# Altium PCB drive.PcbDoc (continued)
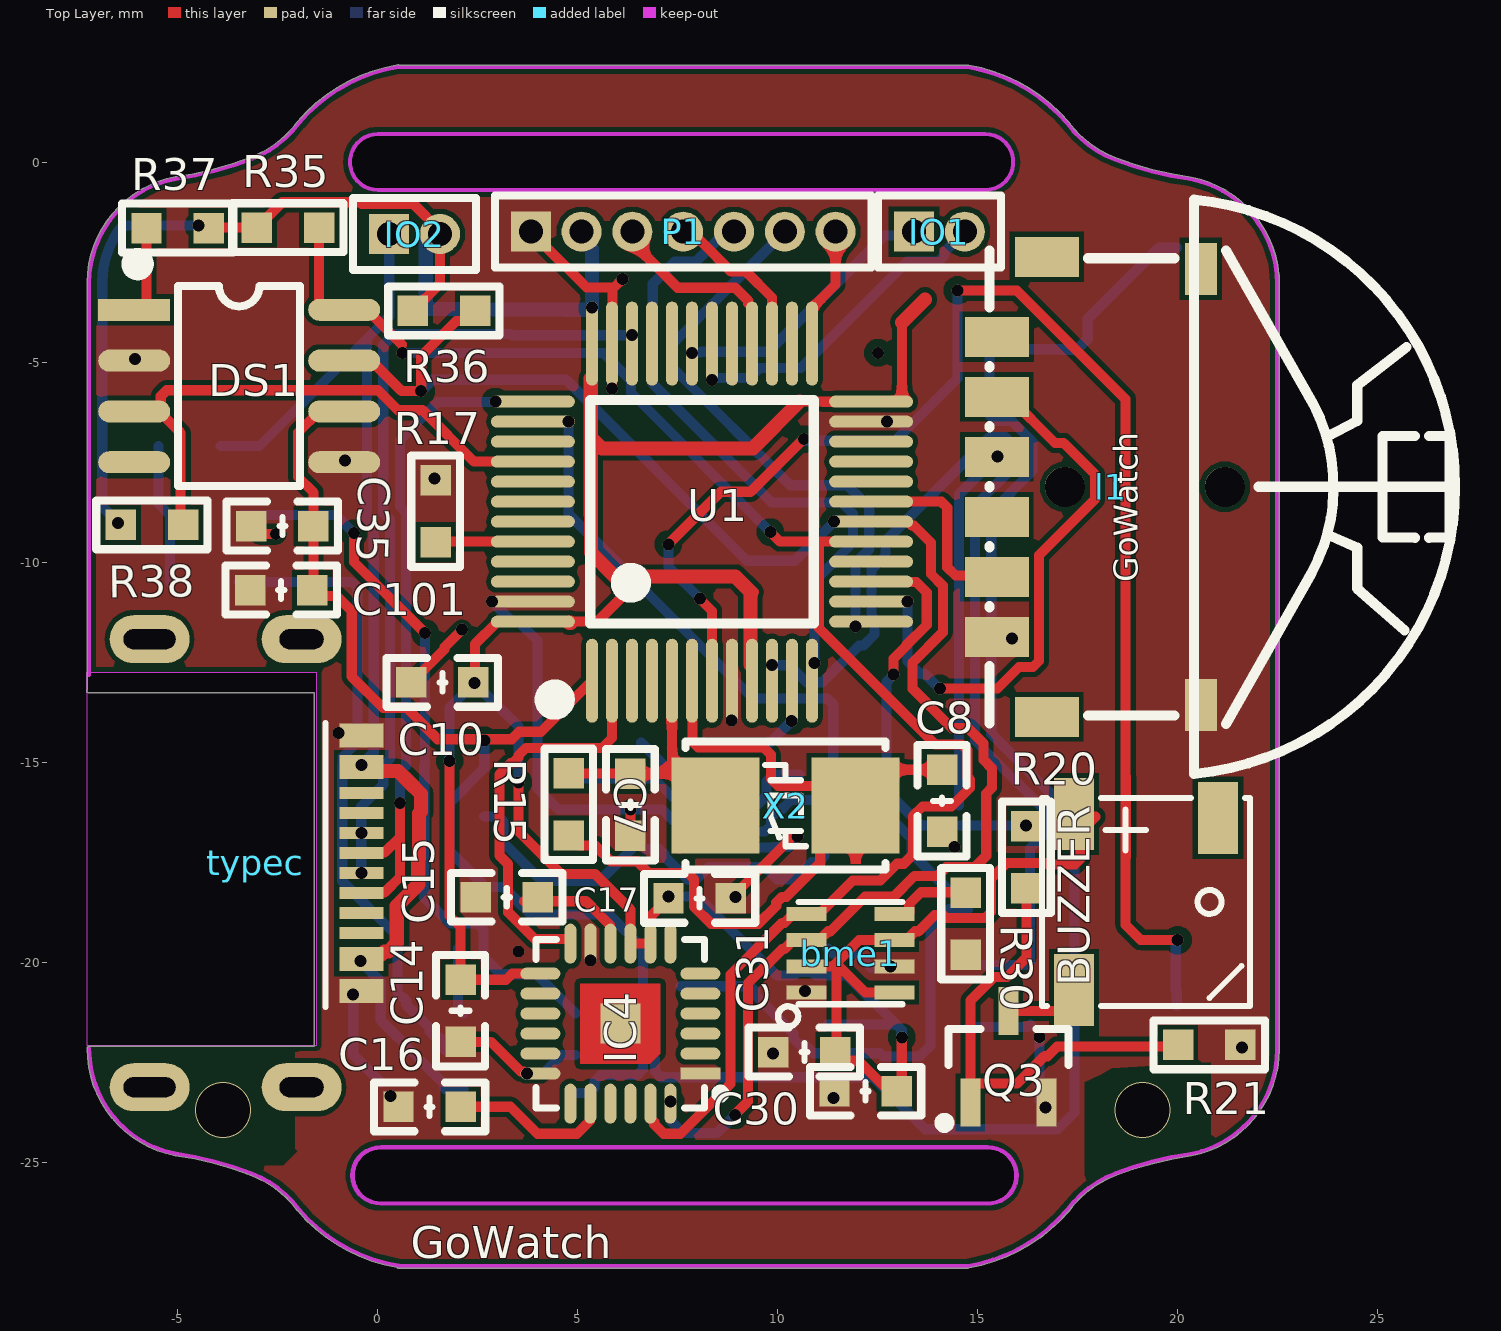
[diagram p0: Top Layer view]
## Footprints (in the part's own frame and the unit in brackets; to place one, negate y for a bottom-side part, rotate by r counter-clockwise, add the part's x,y. Pads: shape width x height; smd on the part's side, far side on the other; paste and mask are expansions set on the pad)
5020BUZZER [mm]
  rect 1x1.8 smd: 1(1.8,-2.25) 2(1.8,2.152) 3(-1.8,-2.151)
  silkscreen extent -2.6,-2.65 2.6,2.55, body extent -2.6,-2.7 2.6,2.5, height 2
BME280 [mm]
  rect 1x0.351 smd: 1(2.243,2.301) 2(2.243,1.651) 3(2.243,0.991) 4(2.243,0.341) 5(0.043,0.341) 6(0.043,0.991) 7(0.043,1.651) 8(0.043,2.301)
  silkscreen extent -0.16,0.04 2.95,3.15, body extent -0.15,0.05 2.35,2.55, height 0.93
C0603 [mm] "Chip Capacitor, 2-Leads, Body 1.60x0.80mm, IPC Medium Density"
  rect 0.8x0.9 smd: 1(-0.8,0) 2(0.8,0)
  silkscreen extent 0,-0.4 0,0.4, body extent -0.8,-0.4 0.8,0.4, height 0.8
"C 0603_L" [mil]
  rect 30x30 smd: 1(-30.59,0) 2(30.59,0)
  silkscreen extent -55,-24 55,24, body extent -31,-16 31,16, height 32
"LED 0603G" [mil]
  rect 50x35 smd: 1(-34.99,0.26)
  oct 50x35 smd: 2(35.01,0.26)
  silkscreen extent -71,-28 81,28, body extent -31,-16 31,16, height 24
"LED 0603R" [mil]
  rect 50x35 smd: 1(-35,0.26)
  oct 50x35 smd: 2(35,0.26)
  silkscreen extent -71,-28 81,28, body extent -31,-16 31,16, height 24
"LQFP48 7X7_M" [mm]
  oval 0.3x2.1 smd: 1(-2.75,-4.227) 2(-2.25,-4.227) 3(-1.75,-4.227) 4(-1.25,-4.227) 5(-0.75,-4.227) 6(-0.25,-4.227) 7(0.25,-4.227) 8(0.75,-4.227) 9(1.25,-4.227) 10(1.75,-4.227) 11(2.25,-4.227) 12(2.75,-4.227) 25(2.75,4.202) 26(2.25,4.202) 27(1.75,4.202) 28(1.25,4.202) 29(0.75,4.202) 30(0.25,4.202) 31(-0.25,4.202) 32(-0.75,4.202) 33(-1.25,4.202) 34(-1.75,4.202) 35(-2.25,4.202) 36(-2.75,4.202)
  oval 2.1x0.3 smd: 13(4.227,-2.75) 14(4.227,-2.25) 15(4.227,-1.75) 16(4.227,-1.25) 17(4.227,-0.75) 18(4.227,-0.25) 19(4.227,0.25) 20(4.227,0.75) 21(4.227,1.25) 22(4.227,1.75) 23(4.227,2.25) 24(4.227,2.75) 37(-4.227,2.75) 38(-4.227,2.25) 39(-4.227,1.75) 40(-4.227,1.25) 41(-4.227,0.75) 42(-4.227,0.25) 43(-4.227,-0.25) 44(-4.227,-0.75) 45(-4.227,-1.25) 46(-4.227,-1.75) 47(-4.227,-2.25) 48(-4.227,-2.75)
  silkscreen extent -3.93,-4.95 2.79,2.79, body extent -4.5,-4.5 4.5,4.5, height 1.45
lunbo [mm]
  rect 1x1.6 smd: D1(9.489,1.087) D2(7.989,1.087) G(10.989,1.087) M(6.489,1.087) s(1.489,2.337) s(12.989,2.337) U1(4.989,1.087) U2(3.489,1.087)
  rect 1.3x0.8 smd: g(12.689,6.187) null(1.789,6.187)
  round 1 hole 1 unplated: ""(7.239,6.787) ""(7.239,2.787)
  silkscreen extent 0.06,0.91 14.41,12.55
MHDR1X2 [mm] "Connector; Header; 2 Position"
  rect 1x1 hole 0.6: 1(0,0)
  round 1 hole 0.6: 2(1.27,0)
  silkscreen extent -0.9,-0.9 2.17,0.9
MHDR1X7 [mm] "Connector; Header; 7 Position"
  rect 1x1 hole 0.6: 1(0,0)
  round 1 hole 0.6: 2(1.27,0) 3(2.54,0) 4(3.81,0) 5(5.08,0) 6(6.35,0) 7(7.62,0)
  silkscreen extent -0.9,-0.9 8.52,0.9
"OSC 5032-2P" [mm]
  rect 2.2x2.4 smd: 1(-1.75,0) 2(1.75,0)
  silkscreen extent -2.5,-1.6 2.5,1.6, body extent -2.5,-1.6 2.5,1.6, height 0.86
"QFN24 4x4_M" [mm]
  rect 0.3x1 smd: 1(-1.25,-2)
  oval 0.3x1 smd: 2(-0.75,-2) 3(-0.25,-2) 4(0.25,-2) 5(0.75,-2) 6(1.25,-2) 13(1.25,2) 14(0.75,2) 15(0.25,2) 16(-0.25,2) 17(-0.75,2) 18(-1.25,2)
  oval 1x0.3 smd: 7(2,-1.25) 8(2,-0.75) 9(2,-0.25) 10(2,0.25) 11(2,0.75) 12(2,1.25) 19(-2,1.25) 20(-2,0.75) 21(-2,0.25) 22(-2,-0.25) 23(-2,-0.75) 24(-2,-1.25)
  rect 1x1 smd: 25(0,0)
  Top Layer region: -1,1 1,1 1,-1 -0.75,-1 -1,-0.75
  silkscreen extent -2.11,-2.6 2.11,2.11, body extent -2.01,-2.01 2.01,2.01, height 0.95
"R 0603_L" [mil]
  rect 30x30 smd: 1(-30.59,0) 2(30.59,0)
  silkscreen extent -55,-24 55,24, body extent -31,-16 31,16, height 16
smd-1.25 [mm]
  rect 0.8x1.6 smd: 1(0.278,-3.518) 2(-0.972,-3.518)
  rect 2.1x3 smd: 3(2.921,-1.143)
  rect 1.3x0.8 smd: 4(-3.556,-2.159)
  silkscreen extent -4.19,-3.63 3.49,1.49
SOP8_N [mm]
  rect 1.8x0.55 smd: 1(-2.625,1.905)
  oval 1.8x0.55 smd: 2(-2.625,0.635) 3(-2.625,-0.635) 4(-2.625,-1.905) 5(2.625,-1.905) 6(2.625,-0.635) 7(2.625,0.635) 8(2.625,1.905)
  silkscreen extent -2.69,-2.5 1.52,3.2, body extent -3,-2.5 3,2.5, height 1.9
SOT23-3N [mm]
  rect 0.5x1.2 smd: 1(-0.95,-1.143) 2(0.95,-1.143) 3(0,1.143)
  silkscreen extent -1.72,-1.78 1.5,0.7, body extent -1.5,-1.2 1.5,1.2, height 1.05
SOT23-6N [mm]
  rect 0.5x1.2 smd: 1(-0.95,-1.4) 2(0,-1.4) 3(0.95,-1.4) 4(0.95,1.4) 5(0,1.4) 6(-0.95,1.4)
  silkscreen extent -1.78,-1.78 1.55,0.51, body extent -1.5,-1.4 1.5,1.4, height 1.15
type-c-16p-new [mm]
  rect 0.6x1.1 smd paste-100 mask+0.05: 1(-3.327,3.59) 2(-2.527,3.59) 11(2.273,3.59) 12(3.073,3.59)
  rect 0.3x1.1 smd paste-100 mask+0.05: 3(-1.877,3.59) 4(-1.377,3.59) 5(-0.877,3.59) 6(-0.377,3.59) 7(0.123,3.59) 8(0.623,3.59) 9(1.123,3.59) 10(1.623,3.59)
  oval 1.2x2 hole 0.5 slot 1.1 at 90 deg: 13(-5.727,2.097) 14(5.473,2.097)
  oval 1.2x2 hole 0.5 slot 1.3 at 90 deg: 15(-5.727,-1.703) 16(5.473,-1.703)
  silkscreen extent -3.63,2.7 3.47,2.7, body extent -5.83,-3.5 5.57,3.05, height 1.59

## Part data
bme1: "气压，湿度，温度传感器"
BUZZER: "贴片蜂鸣器5020最小封装"
C3 C4 C5 C6 C7 C8 C9 C10 C14 C15 C16 C17 C30 C31 C35 C101 CON: library part C, "无极性贴片电容", BOM名称=无极性贴片电容, 学习资源=www.ooocke.com, 版权归属=源创客
  C5 C6 C7 C8 C9 C10 C30 C31 C101 CON: 材质=X7R
DZx1: "双肖特基，共阴极"
IC2: library part TP4057/4059, "500mA/600mA锂电池充电管理IC"
IC4: "陀螺仪"
IO1 IO2: library part "Header 2", "Header, 2-Pin", LatestRevisionDate=17-Jul-2002, LatestRevisionNote="Re-released for DXP Platform.", Publisher="Altium Limited"
LED1 LED2: library part LED-SMD, "贴片LED", BOM名称=贴片LED, 学习资源=www.ooocke.com, 版权归属=源创客
P1: "Header, 7-Pin", LatestRevisionDate=17-Jul-2002, LatestRevisionNote="Re-released for DXP Platform.", Publisher="Altium Limited"
Q1: library part SI2301, "P沟道场效应管", BOM名称=P沟道场效应管, 学习资源=www.ooocke.com, 版权归属=源创客
Q2: library part 9014-SMD, "低噪放大-NPN型", BOM名称=低噪放大-NPN型, 学习资源=www.ooocke.com, 属性="50V 0.1A 0.4W 150MHZ", 版权归属=源创客
Q3: library part 8050-SMD, "高频放大-NPN型", BOM名称=高频放大-NPN型, 学习资源=www.ooocke.com, 属性="40V 1.5A 1W 100MHZ", 版权归属=源创客
R10 R12 R13 R14 R15 R17 R20 R21 R30 R35 R36 R37 R38 R41 R42 R43 Reset: library part R, "贴片电阻", BOM名称=贴片电阻, 学习资源=www.ooocke.com, 版权归属=源创客
U1: "Flaah:64/RAM:20/IO:36", BOM名称=32位STM单片机, 学习资源=www.ooocke.com, 版权归属=源创客
V1: "低压差线性稳压芯片", BOM名称=低压差线性稳压芯片, 学习资源=www.ooocke.com, 版权归属=源创客
X2: library part XTAL-2P, "2脚无源脚晶振", BOM名称=2脚无源脚晶振, 学习资源=www.ooocke.com, 版权归属=源创客, 负载电容=CL20pF

## Free pads (board coordinates)
  round 1.524 smd far side: 2(16.48,-1.88)

## Via types
v1: diameter 0.3, hole 0.3, Top Layer to Bottom Layer, 71 vias
v2: diameter 1.4, hole 1.35, Top Layer to Bottom Layer, 2 vias

## Nets (pads, with @x,y where several pads share a name; then routed paths per layer and width w, separated by ;. In a path a pad name is that pad's centre, name@x,y a point inside that pad or via, vN(x,y) a via of type N, cw(c..) or ccw(c..) an arc to the next point about the centre after c; other vN are vias at no path point)
+3.3V: bme1.2 bme1.6 bme1.8 BUZZER.1 C6.2 C10.2 C14.1 C17.2 C30.2 C31.2 IC4.8 IC4.9 IC4.13 IO2.2 P1.2 R35.2 R36.2 R37.2 R38.2 U1.9 U1.24 U1.36 U1.48 V1.2 | length 100.3
  Top Layer w0.254: R37.2@-4.423,-1.64 R35.2 -2.392,-1.005 -0.447,-1.005 -0.406,-1.046 0.885,-1.046 1.55,-1.711 IO2.2 1.55,-3.043 R36.2 ; v1(1.79,-14.97) 1.79,-18.848 2.065,-19.123 C14.1 3.202,-20.442 3.354,-20.29 IC4.13 ; v1(2.41,-13.02) 2.4,-13.01 C10.2 2.429,-12.968 2.429,-12.047 2.965,-11.511 2.986,-11.49 U1.48 4.786,-11.49 4.809,-11.467 U1.48@4.814,-11.467 ; v1(3.511,-15.509) 3.511,-16.731 4.576,-17.796 5.422,-17.796 6.31,-18.684 IC4.9 IC4.8 6.819,-19.531 6.819,-18.854 C17.2 7.26,-18.407 v1(7.26,-18.36) ; U1.48@4.887,-11.49 5.48,-11.49 6.61,-10.36 ; 9.32,-10.75 9.397,-10.75 ; 10.541,-5.99 U1.24 13.079,-5.99 13.1,-5.969 13.1,-4.01 ; bme1.2 11.464,-20.11 11.464,-22.223 C31.2 11.653,-22.466 12.013,-22.466 12.827,-23.28 13.081,-23.026 13.081,-22.891 13.095,-22.877 v1(13.095,-21.881) ; 11.417,-20.062 12.029,-19.45 bme1.6 13.235,-19.45 13.283,-19.402 13.283,-19.378 13.432,-19.229 13.515,-19.229 13.92,-18.824 14.13,-18.824 14.204,-18.898 15.176,-18.898 15.325,-18.749 15.325,-17.921 15.724,-17.522 16.696,-17.522 16.734,-17.56 17.418,-17.56 17.566,-17.411 17.566,-16.743 17.94,-16.37 ; 11.534,-20.11 12.184,-20.761 bme1.8
  Top Layer w0.354: U1.48@4.78,-11.517 U1.48@4.818,-11.517 ; 5.32,-5.721 5.32,-8.81 5.325,-8.815 5.325,-9.764 5.921,-10.36 6.61,-10.36 8.93,-10.36 9.32,-10.75 ; 5.32,-5.686 5.32,-5.416 U1.36@5.324,-5.411 ; 5.413,-6.98 5.594,-7.162 9.37,-7.162 10.541,-5.99 ; U1.9@9.31,-12.57 9.31,-10.82 9.32,-10.81 ; 13.1,-4.01 13.677,-3.433
  Bottom Layer w0.254: v1(-6.497,-9.019) -6.895,-8.621 -6.895,-3.016 cw(c-4.562,-3.033) -6.474,-1.696 cw(c-6.266,-1.843) -6.266,-1.589 v1(-4.493,-1.589) ; v1(1.79,-14.97) 1.79,-13.64 v1(2.41,-13.02) 2.957,-13.567 2.973,-13.567 3.511,-14.105 v1(3.511,-15.509) ; v1(7.26,-18.36) 7.994,-18.36 9.974,-20.34 10.385,-20.34 10.472,-20.253 10.868,-20.253 10.955,-20.34 11.733,-20.34 C6.2@12.953,-21.56 ; V1.2 C6.2@12.953,-21.56 ; v1(13.095,-21.881) 13.095,-21.702 C6.2 C6.2@12.953,-21.56
  Bottom Layer w0.354: IO2.2@1.192,-1.892 1.192,-3.672 2.242,-3.672 2.253,-3.683 4.676,-3.683 4.686,-3.693 5.286,-3.693 5.33,-3.649 v1@5.349,-3.649 ; P1.2 5.09,-1.915 5.351,-2.176 v1@5.351,-3.628
  other v1: 5.351,-3.64
+5: C3.2 IC2.4 IO2.1 R10.2 typec.2 typec.11 | length 29.9
  Top Layer w0.354: typec.11 -0.293,-19.808 0.091,-19.808 0.164,-19.735 0.259,-19.735 0.47,-19.524 0.47,-18.595 1.005,-18.06 1.005,-17.418 1.027,-17.396 1.027,-16.288 1.078,-16.237 1.078,-15.801 0.769,-15.492 0.501,-15.224 -0.258,-15.224 v1(-0.41,-15.073)
  Bottom Layer w0.254: R10.2 -2.962,-7.1 -0.223,-4.361 ; v1(-0.432,-19.976) -0.432,-19.988 0.07,-20.49 C3.2 0.484,-21.867 0.489,-21.867 0.638,-22.015 0.638,-22.031 1.435,-22.828 1.667,-23.06 1.667,-23.151 1.696,-23.18 IC2.4@2.14,-23.18 ; v1(-0.41,-15.073) -0.41,-15.061 -0.106,-14.757 -0.106,-9.099 -0.272,-8.933 -0.272,-4.41 -0.223,-4.361 ; IO2.1 0.28,-3.858 -0.223,-4.361
ADC: C9.2 R13.1 R14.2 U1.10 | length 25.9
  Bottom Layer w0.254: v1(9.851,-12.581) 10.289,-12.581 10.715,-13.007 11.11,-13.007 12.028,-12.089 12.132,-12.089 12.411,-11.81 12.411,-11.415 12.338,-11.342 12.338,-10.194 12.684,-9.848 12.684,-9.48 14.119,-8.045 15.286,-6.879 15.681,-6.879 15.96,-7.158 15.96,-7.553 14.927,-8.586 14.927,-14.461 16.679,-16.213 16.679,-16.781 16.297,-17.163 16.297,-20 16.224,-20.073 R14.2
beep: R20.1 U1.38 | length 18.5
  Top Layer w0.254: U1.38@3.46,-6.49 U1.38
  Bottom Layer w0.254: v1(4.76,-6.49) 4.76,-8.795 8.776,-12.81 9.376,-13.411 11.234,-13.411 11.383,-13.56 11.383,-15.485 11.726,-15.828 12.816,-15.828 13.572,-16.584 v1(16.202,-16.584)
BOOT0: R17.1 U1.44 | length 2.4
  Top Layer w0.254: R17.1@1.53,-9.733 1.773,-9.49 U1.44
BOOT1: U1.20
ESP_RXD: P1.6 U1.13 | length 14
  Bottom Layer w0.254: P1.6 7.374,-4.536 7.374,-5.149 10.305,-8.08 11.735,-8.08 12.28,-8.626 12.28,-9.68 11.934,-10.026 v1(11.934,-11.612)
  other v1: 11.934,-11.612
ESP_TXD: P1.5 U1.12 | length 15.6
  Bottom Layer w0.254: P1.5 8.698,-1.74 8.431,-2.007 8.429,-2.007 7.942,-2.494 7.416,-2.494 6.87,-3.04 6.87,-5.54 9.844,-8.514 11.597,-8.514 11.876,-8.793 11.876,-9.513 10.913,-10.477 v1(10.913,-12.53)
GND: Battery.2 Battery.4 bme1.1 bme1.7 C3.1 C4.1 C5.1 C6.1 C7.1 C8.1 C9.1 C10.1 C14.2 C15.1 C16.1 C17.1 C30.1 C31.1 C35.1 C101.1 CON.1 DS1.2 DS1.5 IC2.2 IC4.1 IC4.11 IC4.18 l1.g l1.G P1.1 pad.2 Q2.2 Q3.2 R12.1 R14.1 R17.2 R21.1 R30.1 R43.2 Reset.1 typec.1 typec.12 U1.8 U1.23 U1.35 U1.47 V1.1 | length 35.1
  Top Layer w0.254: C35.1 -2.963,-9.304 v1(-2.546,-9.304) ; C10.1 1.661,-12.182 1.661,-12.129 v1(2.1,-11.69) ; C14.2 2.827,-21.996 3.569,-22.738 3.646,-22.738 3.689,-22.781 3.701,-22.769 IC4.18@3.72,-22.769 ; v1(3.72,-22.79) IC4.18 ; P1.1 5.218,-3.138 5.902,-3.138 ; v1(5.847,-5.662) 5.849,-5.66 5.849,-4.541 5.86,-4.53 5.86,-3.18 5.902,-3.138 ; v1(6.11,-2.93) 5.902,-3.138 ; C7.1 v1(6.311,-16.187) ; v1(8.94,-18.38) 8.94,-18.287 10.353,-16.874 10.481,-16.874 v1(10.49,-16.865)
  Bottom Layer w0.254: v1(-0.62,-20.81) -0.62,-22.317 C3.1 ; v1(2.85,-10.99) 3.341,-11.481 3.505,-11.481 3.988,-11.964 3.988,-15.664 4.511,-16.187 v1(6.311,-16.187) 7.107,-16.187 8.058,-17.138 9.846,-17.138 9.863,-17.121 10.276,-17.121 10.49,-16.907 v1(10.49,-16.865) ; v1(3.72,-22.79) 3.732,-22.79 3.744,-22.801 4.113,-22.801 4.59,-22.324 IC2.2 ; V1.1 11.366,-19.783 11.968,-19.783 12.328,-20.143 C6.1 ; R14.1 16.25,-21.627 C9.1 ; v1(16.541,-21.877) 16.541,-23.478 16.69,-23.628 v1(16.69,-23.64)
  other v1: 11.39,-23.4 0.31,-23.35 9.87,-22.29 21.602,-22.139 10.67,-20.73 12.81,-20.11 5.31,-19.967 3.51,-19.74 14.41,-17.13 -0.987,-14.27 8.841,-13.964 15.85,-11.91 1.411,-7.91 -0.824,-7.459 12.73,-6.49 -6.074,-4.919
INT: DS1.3 R38.1 U1.40 | length 14.2
  Top Layer w0.254: DS1.3 DS1.3@-5.567,-6.235 ; R38.1@-4.933,-9.06 -4.933,-6.772 -5.47,-6.235 DS1.3@-5.567,-6.235 ; U1.40 2.4,-7.49 1.117,-6.207 0.5,-6.207 -0.001,-5.706 -5.282,-5.706 -5.43,-5.855 -5.43,-6.098 DS1.3@-5.567,-6.235
IO1: IO1.2 U1.30 | length 8.8
  Top Layer w0.254: v1(8.351,-5.451) U1.30
  Bottom Layer w0.254: v1(8.351,-5.451) 8.363,-5.451 8.418,-5.397 9.293,-5.397 9.542,-5.148 10.573,-5.148 13.227,-2.494 14.005,-2.494 14.154,-2.345 14.154,-2.26 14.612,-1.802 IO1.2@14.612,-1.769
IO2: IO1.1 U1.31 | length 6.8
  Bottom Layer w0.254: v1(7.851,-4.775) 7.86,-4.766 8.063,-4.766 8.084,-4.744 9.758,-4.744 12.668,-1.834 13.306,-1.834 IO1.1
IO3: U1.32
IO4: U1.33
MPU6050_INT: IC4.12 U1.2 | length 10.1
  Top Layer w0.254: IC4.12 4.81,-19.446 4.789,-19.424 3.92,-19.424 3.253,-18.757 3.253,-18.253 3.253,-17.553 3.034,-17.334 3.034,-15.312 3.313,-15.032 3.362,-15.032 3.511,-14.884 3.511,-14.835 3.698,-14.648 5.601,-14.648 5.851,-14.398 U1.2
Netbme1_5: bme1.5 R30.2 | length 2.2
  Top Layer w0.254: bme1.5 13.235,-18.8 13.283,-18.751 13.283,-18.549 13.574,-18.258 14.565,-18.258 R30.2@14.69,-18.383
NetBUZZER_2: BUZZER.2 Q3.3 | length 1.8
  Top Layer w0.254: Q3.3 BUZZER.2@17.566,-21.227
NetC15_2: C15.2 IC4.10 | length 2.9
  Top Layer w0.254: C15.2@3.657,-18.48 5.204,-18.48 5.51,-18.786 5.801,-19.077 5.801,-19.531 IC4.10
NetC16_2: C16.2 IC4.20 | length 4.1
  Top Layer w0.254: C16.2 3.312,-23.62 3.986,-24.294 4.977,-24.294 5.301,-23.97 5.301,-23.549 IC4.20
NetDS1_1: DS1.1 R37.1 | length 2.3
  Top Layer w0.254: DS1.1 -5.935,-3.695 -5.787,-3.547 R37.1
NetDZx1_1: DZx1.1 Q1.1 Q2.3 R41.1 | length 11.6
  Bottom Layer w0.254: Q1.1 3.007,-16.36 3.13,-16.483 3.13,-17.013 R41.1 5.547,-17.97 Q2.3@6.337,-17.18 ; Q2.3 7.037,-17.18 7.16,-17.303 7.16,-17.353 7.737,-17.93 7.964,-17.93 8.268,-17.626 9.678,-17.626 9.982,-17.93 10.414,-17.93 10.842,-17.502 11.016,-17.502 11.165,-17.353 11.165,-17.179 11.314,-17.03 DZx1.1
NetIC2_1: IC2.1 LED1.2 | length 18.2
  Top Layer w0.254: v1(-0.6,-9.28) -0.6,-10.001 v1(1.179,-11.78)
  Bottom Layer w0.254: LED1.2 -1.053,-8.827 v1(-0.6,-9.28) ; v1(1.179,-11.78) 1.179,-15.081 1.158,-15.103 1.158,-18.392 1.801,-19.035 2.489,-19.035 2.638,-19.184 2.638,-19.872 3.071,-20.305 3.965,-20.305 IC2.1@4.94,-21.28
NetIC2_5: IC2.5 LED2.2 | length 16.4
  Bottom Layer w0.254: LED2.2@-3.491,-10.497 -0.659,-10.497 -0.51,-10.645 -0.51,-14.499 -0.887,-14.876 -0.887,-15.09 -0.893,-15.096 -0.893,-17.978 0.489,-19.361 0.489,-20.751 0.705,-20.967 0.705,-21.065 1.286,-21.646 1.286,-21.729 1.435,-21.878 1.518,-21.878 1.667,-22.027 1.667,-22.201 2.111,-22.201 IC2.5@2.14,-22.23
NetIC2_6: IC2.6 R12.2 | length 1.7
  Bottom Layer w0.254: R12.2 2.003,-21.157 2.126,-21.28 IC2.6@2.14,-21.28
NetLED1_1: LED1.1 LED2.1 R10.1 | length 3.5
  Bottom Layer w0.254: R10.1 -5.487,-8.539 LED1.1 LED2.1
NetQ2_1: Q2.1 R42.2 R43.1 | length 5.2
  Bottom Layer w0.254: R42.2 8.17,-16.107 8.85,-16.107 Q2.1 9.323,-16.23 9.71,-15.843 9.71,-15.493 9.89,-15.313 R43.1
NetQ3_1: Q3.1 R20.2 R21.2 | length 11.9
  Top Layer w0.254: Q3.1 Q3.1@14.81,-23.163 ; R20.2 16.21,-19.891 15.728,-20.373 15.405,-20.373 14.81,-20.968 Q3.1@14.81,-23.163 ; R21.2@20.114,-22.11 16.983,-22.11 16.738,-22.354 16.659,-22.354 15.974,-23.04 14.933,-23.04 Q3.1@14.81,-23.163
NRST: CON.2 Reset.2 U1.7 | length 36.6
  Top Layer w0.254: v1(7.261,-9.556) 8.573,-8.244 9.316,-8.244 v1@10.62,-6.94 ; v1(8.05,-10.91) 8.05,-10.922 8.351,-11.223 U1.7 ; v1(14.49,-3.21) 15.969,-3.21 18.69,-5.931 18.69,-15.361 18.693,-15.365 18.693,-17.375 18.69,-17.378 18.69,-19.07 19.07,-19.45 v1(19.993,-19.45)
  Bottom Layer w0.254: v1(7.261,-9.556) 7.261,-10.121 v1(8.05,-10.91) ; v1(10.649,-6.926) 10.662,-6.926 10.703,-6.967 12.928,-6.967 14.49,-5.405 v1(14.49,-3.21) ; Reset.2@19.97,-21.1 19.97,-20.754 19.943,-20.727 19.943,-19.5 v1(19.993,-19.45)
OSC32_IN: U1.3
OSC32_OUT: U1.4
OSC_IN: C7.2 R15.2 U1.5 X2.2 | length 8.3
  Top Layer w0.254: R15.2 6.301,-15.283 C7.2 7.073,-15.293 ; U1.5 7.351,-15.015 7.073,-15.293 ; X2.2@7.54,-17.163 8.382,-16.32 8.67,-16.32 7.643,-15.293 7.073,-15.293
OSC_OUT: C8.2 R15.1 U1.6 X2.1 | length 19.5
  Top Layer w0.254: R15.1@4.772,-16.792 4.772,-16.839 5.024,-17.091 5.434,-17.091 5.825,-17.482 6.484,-17.482 6.777,-17.775 7.749,-17.775 7.898,-17.924 7.898,-18.612 8.331,-19.045 9.509,-19.045 9.956,-18.598 9.956,-18.519 10.105,-18.37 10.21,-18.37 11.058,-17.522 11.058,-16.972 X2.1@12.296,-15.734 ; U1.6 7.86,-12.976 7.86,-14.487 8.009,-14.636 9.645,-14.636 9.822,-14.813 9.822,-15.422 9.999,-15.599 11.596,-15.599 11.732,-15.734 X2.1@12.296,-15.734 ; C8.2 12.837,-15.193 X2.1@12.296,-15.734
PB12: P1.7 U1.25 | length 3
  Top Layer w0.254: U1.25 10.851,-3.651 11.44,-3.062 P1.7
PB14: P1.4 U1.27 | length 3.9
  Top Layer w0.254: P1.4@7.832,-1.74 8.099,-2.007 8.101,-2.007 8.834,-2.74 9.203,-2.74 9.851,-3.388 U1.27
PB15: P1.3 U1.28 | length 5
  Top Layer w0.254: P1.3@6.09,-1.74 7.494,-3.144 8.928,-3.144 9.255,-3.471 9.255,-3.53 9.351,-3.626 U1.28
PWR_ON: R42.1 U1.11 | length 3.4
  Top Layer w0.254: U1.11 10.36,-12.976 U1.11@10.36,-13.947
  Bottom Layer w0.254: R42.1 8.14,-14.523 9.79,-14.523 v1(10.341,-13.972)
SCL2: bme1.4 DS1.8 IC4.23 R35.1 U1.17 | length 40.6
  Top Layer w0.254: R35.1 -1.473,-3.558 -1.336,-3.695 DS1.8 -0.273,-3.695 0.6,-4.568 ; IC4.23 6.81,-23.902 6.906,-23.998 6.906,-24.057 7.143,-24.294 7.565,-24.294 8.814,-23.045 8.814,-20.311 10.105,-19.021 10.164,-19.021 10.385,-18.8 bme1.4 11.035,-18.8 11.87,-17.964 12.557,-17.964 12.977,-17.544 13.145,-17.544 13.38,-17.309 13.38,-16.347 13.615,-16.112 14.333,-16.112 14.801,-15.645 14.801,-15.434 14.736,-15.369 14.736,-14.707 14.587,-14.558 13.925,-14.558 11.024,-11.657 11.024,-11.264 11.024,-9.586 ; v1(9.81,-9.25) 10.05,-9.49 U1.17
  Bottom Layer w0.254: v1(0.609,-4.775) 5.634,-4.775 6.324,-5.465 6.324,-5.764 v1(9.81,-9.25)
SDA2: bme1.3 DS1.7 IC4.24 R36.1 U1.18 | length 41.9
  Top Layer w0.254: DS1.7 -0.171,-4.965 0.586,-5.721 1.071,-5.721 v1(1.08,-5.73) 1.08,-4.848 1.954,-3.974 2.173,-3.974 2.313,-3.834 R36.1@2.313,-3.615 ; v1(8.92,-23.83) 8.92,-23.818 9.248,-23.49 9.248,-20.538 10.108,-19.678 10.157,-19.678 10.385,-19.45 bme1.3 11.035,-19.45 11.256,-19.229 11.315,-19.229 12.176,-18.368 12.893,-18.368 13.411,-17.85 13.982,-17.85 14.204,-17.628 14.922,-17.628 15.205,-17.345 15.205,-15.785 15.348,-15.642 15.348,-15.153 15.14,-14.945 15.14,-14.539 14.755,-14.154 14.349,-14.154 13.367,-13.172 13.367,-12.511 14.121,-11.757 14.121,-10.593 13.826,-10.298 13.826,-9.517 13.395,-9.086 13.357,-9.086 13.336,-9.086 13.241,-8.99 U1.18
  Bottom Layer w0.254: v1(1.08,-5.73) 1.367,-5.443 4.703,-5.443 9.227,-9.967 10.423,-9.967 v1(11.399,-8.991) ; v1(7.315,-23.487) 7.315,-23.972 7.622,-24.278 8.472,-24.278 v1(8.92,-23.83)
SW1: l1.D1 U1.19 | length 4.8
  Top Layer w0.254: U1.19 14.082,-8.49 14.23,-8.639 14.23,-10.13 14.438,-10.338 15.438,-10.338 l1.D1
SW2: DZx1.3 l1.M | length 9.1
  Bottom Layer w0.254: DZx1.3 14.523,-8.317 v1@15.484,-7.356
  other v1: 15.483,-7.356
SW2-KEY: DZx1.2 U1.15 | length 5.8
  Top Layer w0.254: v1(12.89,-12.81) 12.89,-12.417 13.22,-12.087 13.22,-12.07 13.717,-11.573 13.717,-10.76 13.456,-10.499 13.249,-10.499 U1.15@13.244,-10.493
  Bottom Layer w0.254: DZx1.2 12.587,-15.13 12.71,-15.007 12.71,-13.002 12.89,-12.822 v1(12.89,-12.81)
SW3: l1.U1 U1.14 | length 14.8
  Top Layer w0.254: U1.14 v1(13.241,-10.99) U1.14@13.264,-10.967 ; v1(14.046,-13.16) 15.49,-13.16 16.026,-12.624 16.375,-12.624 16.524,-12.475 16.524,-9.832 17.924,-8.432 17.924,-7.808 17.142,-7.025 16.925,-7.025 15.77,-5.87 l1.U1
  Bottom Layer w0.254: v1(13.241,-10.99) 13.241,-12.486 13.547,-12.792 13.666,-12.792 14.034,-13.16 v1(14.046,-13.16)
SWCLK: typec.6 typec.8 U1.37 | length 16.6
  Top Layer w0.254: typec.8 -0.393,-18.258 0.166,-18.258 0.551,-17.872 v1(0.551,-16.019) ; typec.6@-0.01,-17.287 -0.01,-17.274 0.007,-17.258 0.166,-17.258 0.551,-16.872 v1(0.551,-16.019) ; v1(2.934,-5.992) U1.37@2.957,-5.992 ; v1(0.551,-16.019) 0.566,-16.004 v1(0.551,-16.019)
  Bottom Layer w0.254: v1(0.551,-16.019) 0.551,-15.243 0.702,-15.092 0.702,-8.765 0.551,-8.614 0.551,-6.946 1.496,-6 2.925,-6 v1(2.934,-5.992)
SWDIO: typec.5 typec.7 U1.34 | length 20.1
  Top Layer w0.254: U1.34 6.351,-4.349 v1(6.351,-4.33)
  Bottom Layer w0.254: v1(-0.416,-17.781) v1(-0.416,-16.781) -0.416,-16.113 0.132,-15.565 0.132,-15.091 0.298,-14.925 0.298,-8.932 0.132,-8.766 0.132,-4.577 0.411,-4.298 3.326,-4.298 3.358,-4.33 v1(6.351,-4.33)
Vbat+: Battery.1 Battery.3 C4.2 C35.2 C101.2 DS1.6 IC2.3 Q1.2 R41.2 U1.1 | length 68.4
  Top Layer w0.254: C101.2@-1.624,-10.719 -1.613,-10.709 C35.2 -1.613,-8.259 -1.999,-7.873 -1.999,-6.764 -1.47,-6.235 DS1.6 ; C101.2@-1.622,-10.721 -1.492,-10.851 -1.03,-10.851 -0.805,-11.076 -0.656,-11.225 -0.656,-12.865 0.124,-13.645 0.711,-13.645 1.496,-14.43 3.344,-14.43 3.53,-14.244 4.074,-14.244 U1.1
  Bottom Layer w0.254: v1(2.657,-14.46) 2.657,-15.151 1.803,-16.005 1.803,-17.24 R41.2 2.689,-18.126 3.146,-18.126 3.452,-18.432 3.452,-18.456 3.601,-18.605 3.625,-18.605 3.835,-18.815 5.782,-18.815 C4.2 6.627,-22.132 ; IC2.3 IC2.3@5.29,-23.274 ; IC2.3@5.413,-23.151 5.413,-22.977 5.562,-22.828 6.478,-22.828 6.627,-22.679 6.627,-22.132 ; Battery.1@17.072,-4.692 17.472,-4.692 17.745,-4.419 17.745,-3.919 19.522,-2.142 Battery.3@19.972,-2.142 ; Battery.1@17.072,-4.68 15.433,-4.68 15.284,-4.829 15.284,-6.326 15.433,-6.475 15.848,-6.475 16.364,-6.991 16.364,-7.721 15.331,-8.754 15.331,-14.294 17.41,-16.373 17.41,-23.76 16.99,-24.18 13.68,-24.18 12.382,-22.882 7.074,-22.882 6.925,-22.733 6.925,-22.43 6.627,-22.132
Vbin: C5.2 Q1.3 R13.2 V1.3 | length 23.4
  Bottom Layer w0.254: Q1.3 6.902,-15.41 8.226,-16.734 8.268,-16.734 9.678,-16.734 9.827,-16.585 9.827,-16.389 9.976,-16.24 10.036,-16.24 10.326,-15.95 11.276,-15.95 11.558,-16.232 12.648,-16.232 13.341,-16.925 13.341,-17.278 R13.2 14.276,-18.68 13.81,-19.146 13.81,-22.098 13.55,-22.358 12.63,-22.358 12.552,-22.28 10.885,-22.28 10.67,-22.064 10.538,-22.064 10.389,-21.915 10.389,-21.784 9.43,-20.825 9.43,-20.733 9.302,-20.605 C5.2@7.56,-20.605
pads on no net: BUZZER.3 DS1.4 IC4.2 IC4.3 IC4.4 IC4.5 IC4.6 IC4.7 IC4.14 IC4.15 IC4.16 IC4.17 IC4.19 IC4.21 IC4.22 IC4.25 l1. l1.D2 l1.null l1.s l1.U2 typec.3 typec.4 typec.9 typec.10 typec.13 typec.14 typec.15 typec.16 U1.16 U1.21 U1.22 U1.26 U1.29 U1.39 U1.41 U1.42 U1.43 U1.45 U1.46
copper on no net:
  other v1: 12.5,-4.77
  other v2: -3.87,-23.7 19.11,-23.7

## Polygon pours and split planes (outlines as drawn)
GND on Top Layer "GND_L01_P000" (solid, remove dead copper, pour order 0): -9.81,5.312 -9.81,-29.357 11.782,-29.357 28.584,-29.357 28.584,-15.608 28.584,-14.148 28.584,5.312
GND on Bottom Layer "GND_L02_P002" (solid, remove dead copper, pour order 2): -11.128,5.689 -11.128,-28.871 26.91,-28.871 28.34,-28.871 28.341,4.887 28.34,5.689

## Keep-outs
Keep-Out Layer:
  lines w0.1: -7.222,-12.82 -7.222,-3.011 ; -7.222,-3.051 cw(c-4.562,-3.033) -5.059,-0.42 ccw(c-6.227,7.953) -3.164,0.073 ccw(c-4.074,2.505) -1.979,0.971 cw(c1.192,-1.727) 0.505,2.38 ; -7.218,-22.16 ccw(c-4.558,-22.178) -5.056,-24.792 cw(c-6.224,-33.164) -3.16,-25.285 cw(c-4.071,-27.717) -1.976,-26.183 ccw(c1.195,-23.484) 0.508,-27.591 ; 0.505,2.37 14.752,2.37 cw(c14.065,-1.737) 17.236,0.961 ccw(c19.331,2.495) 18.42,0.063 ccw(c21.484,7.943) 20.316,-0.43 cw(c19.818,-3.043) 22.478,-3.061 ; 0.508,-27.601 14.752,-27.601 ; 14.752,-27.597 ccw(c14.065,-23.491) 17.236,-26.189 ; 15.151,0.7 0,0.7 ccw(c0,0) 0,-0.7 15.241,-0.7 ; 15.181,-0.7 ccw(c15.181,0) 15.181,0.7 ; 15.224,-24.635 0.073,-24.635 ccw(c0.073,-25.335) 0.073,-26.035 15.314,-26.035 ; 15.254,-26.035 ccw(c15.254,-25.335) 15.254,-24.635 ; 17.239,-26.188 cw(c19.334,-27.722) 18.423,-25.29 cw(c21.486,-33.169) 20.318,-24.797 ; 20.316,-24.798 ccw(c19.818,-22.185) 22.478,-22.167 22.478,-2.841

## Other copper
Top Layer:
  pour cut-out: -5.02,-22.08 -4.84,-22.26 -2.07,-22.26 -2.07,-24.67 -2.01,-24.73 -2.373,-25.093 -5.247,-25.093 -5.247,-22.753 -5.47,-22.53 -5.06,-22.12 -5.06,-22.1
  pour cut-out: 18.346,-22.653 20.83,-22.51 20.83,-24.92 20.89,-24.98 20.527,-25.343 17.653,-25.343 17.653,-23.003 18.06,-22.82 18.21,-22.732
Bottom Layer:
  pour cut-out: -5.02,-22.08 -4.84,-22.26 -2.07,-22.26 -2.07,-24.67 -2.01,-24.73 -2.373,-25.093 -5.247,-25.093 -5.247,-22.753 -5.47,-22.53 -5.06,-22.12 -5.06,-22.1
  pour cut-out: 18.346,-22.653 20.69,-22.42 20.69,-24.83 20.75,-24.89 20.387,-25.253 17.513,-25.253 17.513,-22.913 17.81,-22.953

## Silkscreen, mask and mechanical layers (free items; w line width, h text height)
Top Overlay:
  text "GoWatch" at 18.996,-10.506 h0.6 r90
  text "GoWatch" at 0.825,-27.4 h0.8
Bottom Overlay:
  text "GoWatch" at 9.95,1.04 h0.6
  text "-" at 3.45,-2.37 h0.8 r180
  text "ESP TXD" at 9.25,-2.42 h0.8 r90
  text "ESP RXD" at 10.61,-2.42 h0.8 r90
  text "RX" at 13.79,-2.42 h0.8 r90
  text "TX" at 15.03,-2.42 h0.8 r90
  text "3.3" at 2.17,-2.55 h0.8 r92.07
  text "+" at 5.443,-2.64 h0.8 r90
  text "C" at 6.74,-3.22 h0.8
  text "D" at 7.81,-3.22 h0.8
  text "VBat+" at 20.05,-3.35 h0.8 r90
  text "5" at 0.57,-3.52 h0.8
  text "GND" at 17.52,-3.53 h0.8
  text "VBat+" at 15.87,-5.07 h0.8
  text "GND" at 15.82,-6.29 h0.8
  text "Life" at 4.02,-9.65 h0.6 r321.78
  text "GND" at 18.865,-10.143 h0.8
  text "2" at 8.43,-11.38 h2
  text "1" at 8.769,-11.373 h2
  text "Life" at 19.82,-14.47 h0.6 r53.09
  text "-" at 13.27,-22.58 h0.8
  text "+" at 11.79,-22.653 h0.8
  text "Designed by life" at 14.481,-27.491 h0.8
Top Paste:
  lines w0.1: -7.269,-25.87 -7.269,-22.16 ; -7.23,-23.919 -3.53,-23.91 18.8,-23.91 ; 18.819,-23.904 22.519,-23.896 ; 22.51,-26.3 22.51,-22.59
  lines w0.254: -7.142,-3.07 22.418,-3.07 ; 4.328,-27.521 4.328,-24.681 ; 7.611,-26.44 7.611,1.12 ; 20.494,-1.121 20.494,1.719
Top Solder:
  text "GoWatch" at 0.845,-27.4 h0.8
Mechanical 1:
  drawing of 211 lines, arcs and shapes, not listed